# Altium PCB BLDC_v3.PcbDoc (part 1 of 2) (continued)
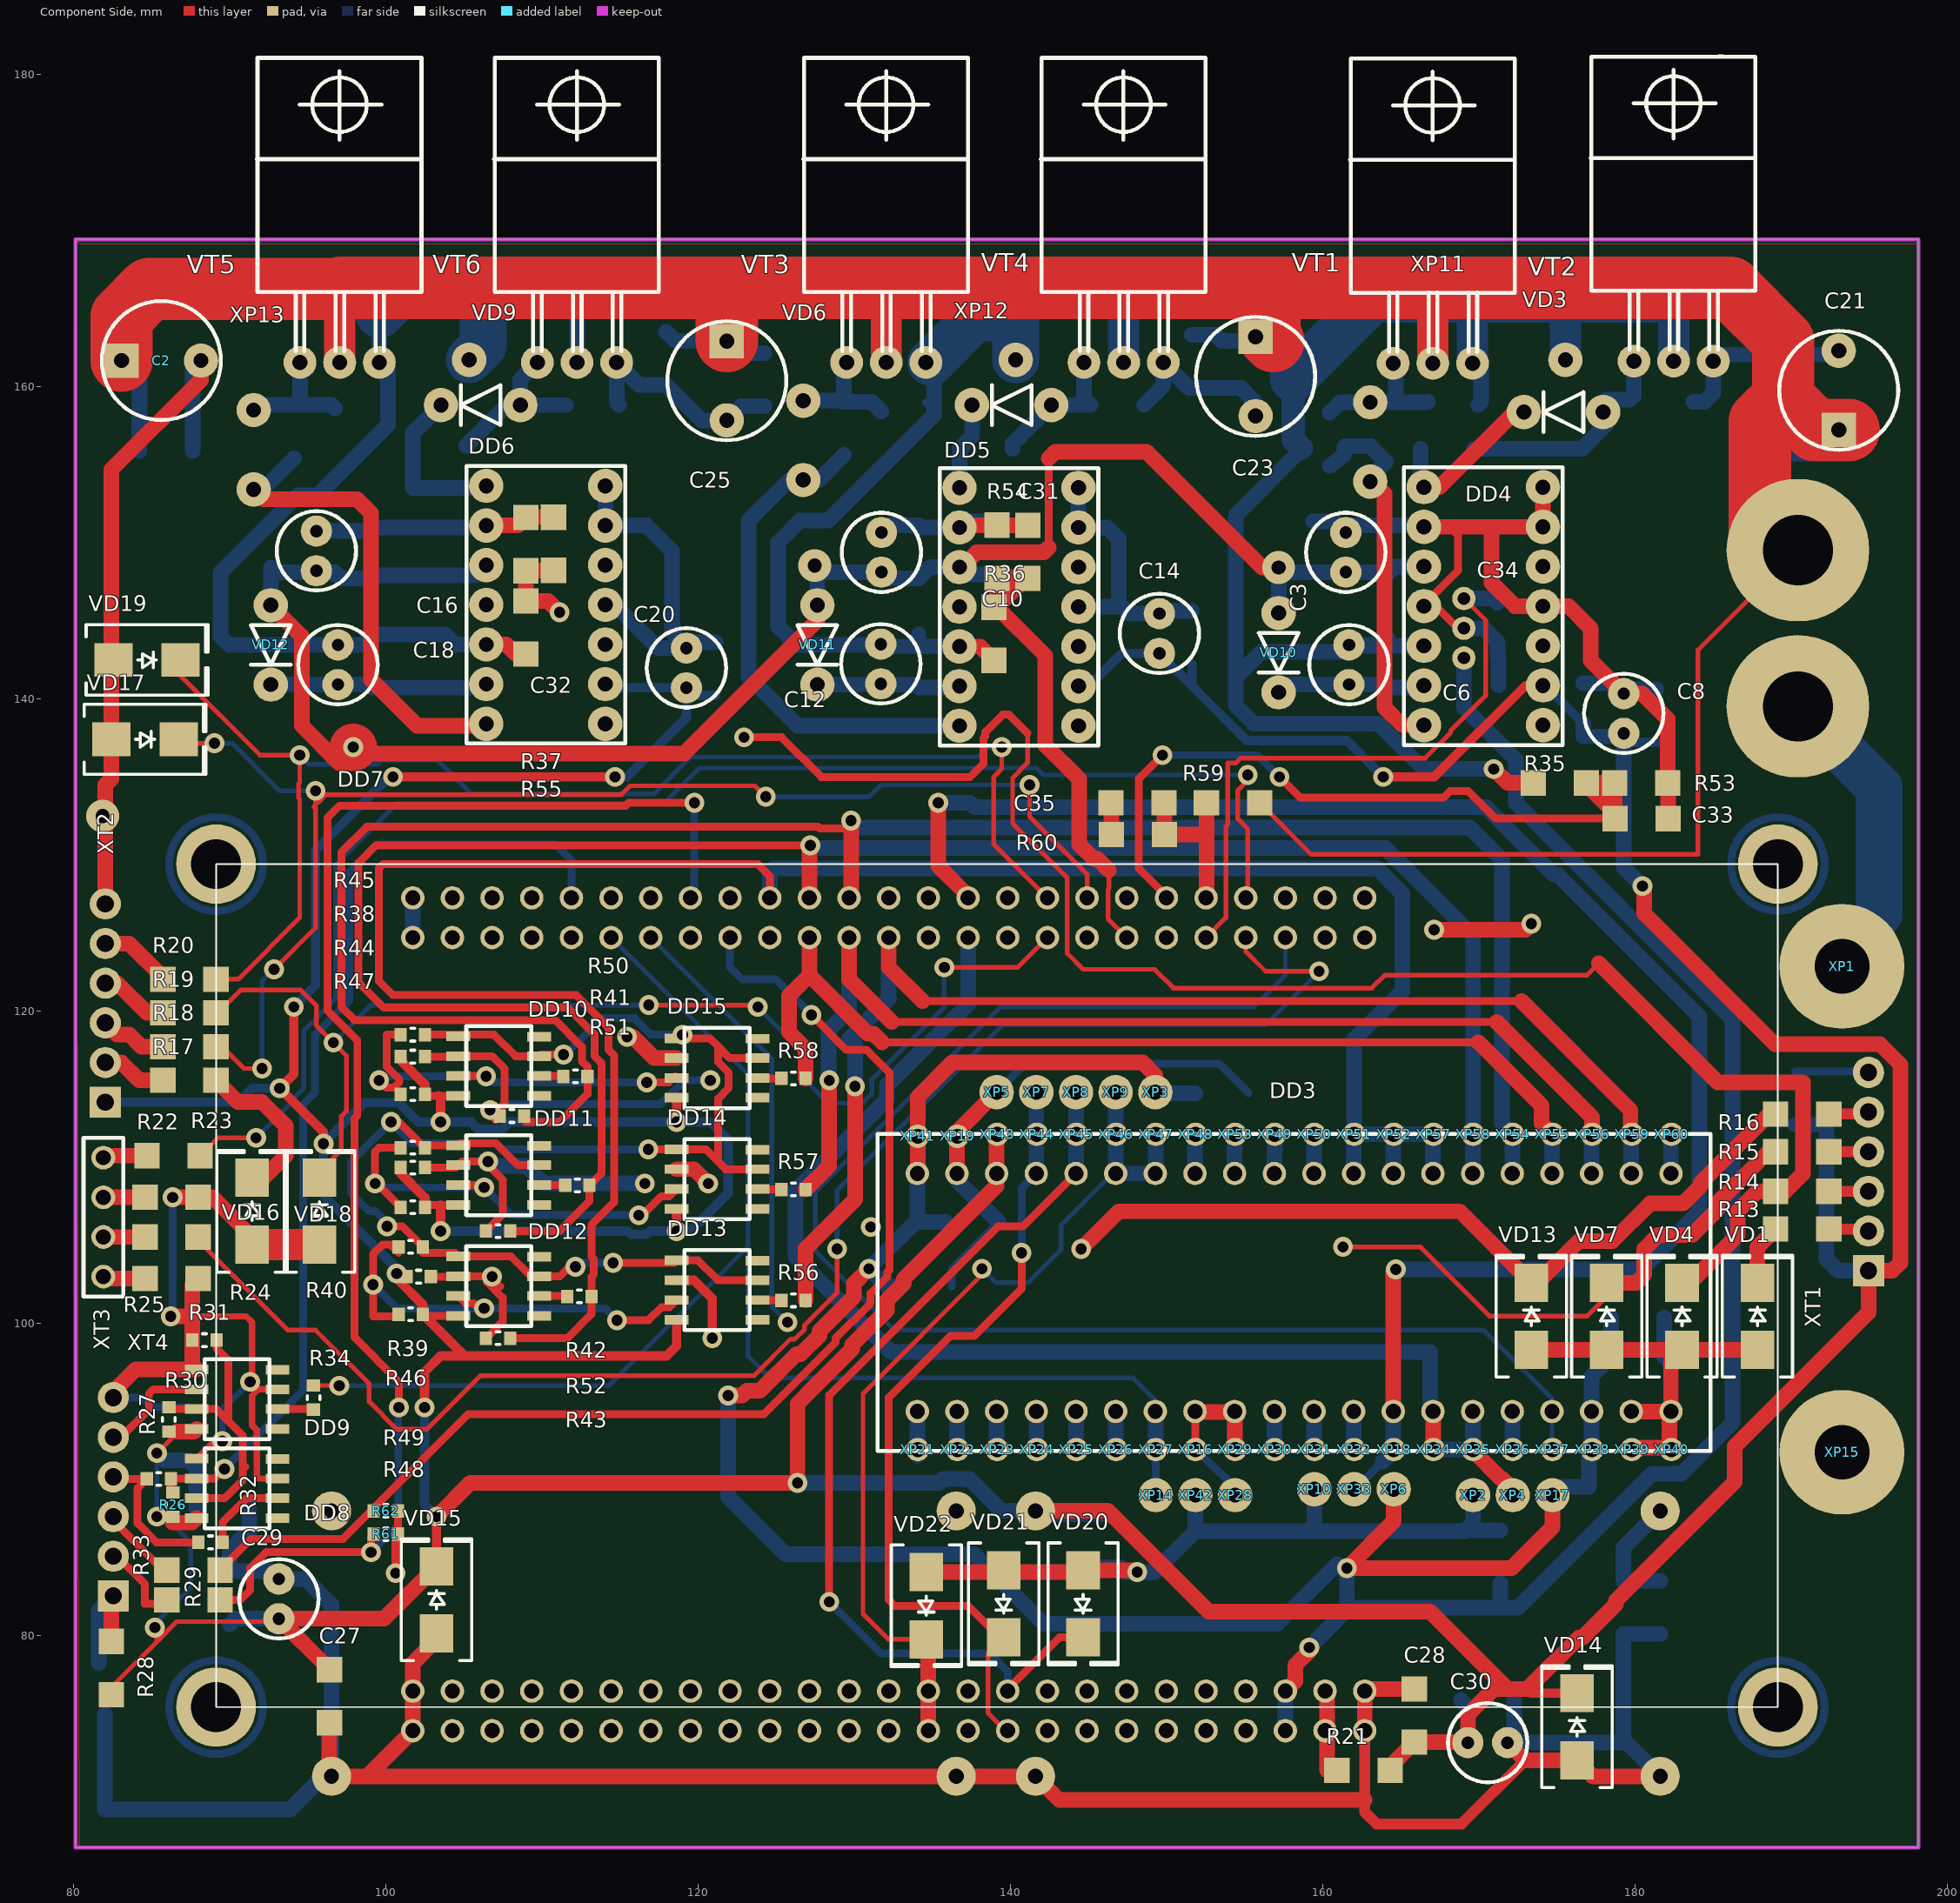
[diagram p0: Component Side view]
## Components (designator, comment, footprint, x,y, rotation, side; value= is the part's Value field where it differs from the comment) (continued)
XP52 "XP_1_WIDE" XP_WIDE#3 164.544,112.116 r0 top
XP53 "XP_1_WIDE" XP_WIDE#3 154.384,112.116 r0 top
XP54 "XP_1_WIDE" XP_WIDE#3 172.164,112.116 r0 top
XP55 "XP_1_WIDE" XP_WIDE#3 174.704,112.116 r0 top
XP56 "XP_1_WIDE" XP_WIDE#3 177.244,112.116 r0 top
XP57 "XP_1_WIDE" XP_WIDE#3 167.084,112.116 r0 top
XP58 "XP_1_WIDE" XP_WIDE#3 169.624,112.116 r0 top
XP59 "XP_1_WIDE" XP_WIDE#3 179.784,112.116 r0 top
XP60 "XP_1_WIDE" XP_WIDE#3 182.324,112.116 r0 top
XT1 "PLS6_GOST" XP_6_PIN 194.945,103.378 r90 top
XT2 "PLS6_GOST" XP_6_PIN 82.042,114.173 r90 top
XT3 "PLS4_GOST" XP_4_PIN_2 81.915,110.617 r0 top
XT4 "PLS6_GOST" XP_6_PIN 82.55,82.55 r90 top

## Footprints (in the part's own frame and the unit in brackets; to place one, negate y for a bottom-side part, rotate by r counter-clockwise, add the part's x,y. Pads: shape width x height; smd on the part's side, far side on the other; paste and mask are expansions set on the pad)
ACS_SENSOR [mil]
  round 59 hole 31.5: 1(-75,0) 2(0,0) 3(75,0)
  round 360 hole 177.17: 4(197,842) 5(-197,842)
  Multi-Layer lines w3.94: -275,802 cw(c-275,842) -315,842 cw(c-275,842) -275,882 ; -118,802 ccw(c-118,842) -118,882 ; 118,802 cw(c118,842) 118,882 ; 275,802 ccw(c275,842) 275,882
  Multi-Layer lines w4: -275,802 -237,802 -197,802 -118,802 ; 118,802 157,802 197,802 275,802 ; -275,882 -269.32,882 -237,882 -197,882 -157,882 -151.03,882 -118,882 ; 118,882 197,882 218.06,882 237,882 275,882
  body extent -276,-10 276,870, height 354
C10_V [mm]
  round 2 hole 0.8: 1(0,0) 2(2.54,0)
  silkscreen extent -1.27,-2.54 3.81,2.54, body extent -1.26,-2.51 3.74,2.49, height 12.9
C100_WIDE [mm]
  rect 2.2x2.2 hole 0.965: 1(0,0)
  round 2.2 hole 0.965: 2(5.08,0)
  silkscreen extent -1.27,-3.81 6.35,3.81, body extent -2.51,-5.01 7.49,4.96, height 12.5
CC1206 [mil]
  rect 64x64 smd: 1(0,0) 2(134,0)
  body extent 8,-31 134,32, height 39
DIODE_V_WIDE_HOLES [mm]
  round 2.2 hole 0.965: 1(5.08,0) 2(0,0)
  silkscreen extent 1.27,-1.27 3.81,1.27
DIP14_WIDE_HOLES [mm]
  round 2.2 hole 0.965: 1(0,0) 2(0,-2.54) 3(0,-5.08) 4(0,-7.62) 5(0,-10.16) 6(0,-12.7) 7(0,-15.24) 8(7.62,-15.24) 9(7.62,-12.7) 10(7.62,-10.16) 11(7.62,-7.62) 12(7.62,-5.08) 13(7.62,-2.54) 14(7.62,0)
  silkscreen extent -1.27,-16.51 8.89,1.27, body extent -0.12,-17.46 7.75,2.23, height 6.6
"DO214AA SMB" [mm] "Molded Diode, 2-Leads, Body 4.31x3.62mm, IPC Medium Density"
  rect 2.45x2.15 smd: 1(-2.15,0) 2(2.15,0)
  silkscreen extent -3.9,-2.25 3.9,2.25, body extent -2.6,-1.8 2.6,1.8, height 2.4
HCPL0600 [mil]
  rect 24x60 smd: 1(26,-184) 2(76,-184) 3(126,-184) 4(175,-184) 5(176,20) 6(126,20) 7(76,20) 8(26,20)
  silkscreen extent 0,-164 202,0, body extent 0,-164 202,0, height 143
IRLZ44N [mm]
  round 2.1 hole 0.965: 1(0.17,-0.17) 2(2.71,-0.17) 3(5.25,-0.17)
  silkscreen extent -2.6,0.55 7.95,19.35, body extent -2.56,-0.45 7.98,19.32, height 4.7
LM2596_WIDE [mm]
  round 2.5 hole 0.965: 1(0,0) 2(40,0) 3(40,17) 4(0,17)
  silkscreen extent -2,-2 42,19, body extent -1.43,-2.09 41.57,19.11, height 14.2
RC1206 [mil]
  rect 64x64 smd: 1(0,0) 2(134,0)
  body extent 1,-32 127,32, height 21
SMT0603/VISHAY [mm]
  rect 0.787x0.864 smd: 1(-0.775,0) 2(0.775,0)
  silkscreen extent -0.13,-0.41 0.13,0.41, body extent -0.78,-0.43 0.77,0.43, height 0.45
STM32F103_BOARD_WIDE [mm]
  round 1.5 hole 0.965: 1(0,0) 2(2.54,0) 3(5.08,0) 4(7.62,0) 5(10.16,0) 6(12.7,0) 7(15.24,0) 8(17.78,0) 9(20.32,0) 10(22.86,0) 11(25.4,0) 12(27.94,0) 13(30.48,0) 14(33.02,0) 15(35.56,0) 16(38.1,0) 17(40.64,0) 18(43.18,0) 19(45.72,0) 20(48.26,0) 21(48.26,15.24) 22(45.72,15.24) 23(43.18,15.24) 24(40.64,15.24) 25(38.1,15.24) 26(35.56,15.24) 27(33.02,15.24) 28(30.48,15.24) 29(27.94,15.24) 30(25.4,15.24) 31(22.86,15.24) 32(20.32,15.24) 33(17.78,15.24) 34(15.24,15.24) 35(12.7,15.24) 36(10.16,15.24) 37(7.62,15.24) 38(5.08,15.24) 39(2.54,15.24) 40(0,15.24)
  silkscreen extent -2.54,-2.54 50.8,17.78, body extent -2.86,-3.86 55.78,18.64, height 13.51
STM32F407-Disco [mm]
  round 1.5 hole 0.965: 1(0,0) 2(2.54,0) 3(0,-2.54) 4(2.54,-2.54) 5(0,-5.08) 6(2.54,-5.08) 7(0,-7.62) 8(2.54,-7.62) 9(0,-10.16) 10(2.54,-10.16) 11(0,-12.7) 12(2.54,-12.7) 13(0,-15.24) 14(2.54,-15.24) 15(0,-17.78) 16(2.54,-17.78) 17(0,-20.32) 18(2.54,-20.32) 19(0,-22.86) 20(2.54,-22.86) 21(0,-25.4) 22(2.54,-25.4) 23(0,-27.94) 24(2.54,-27.94) 25(0,-30.48) 26(2.54,-30.48) 27(0,-33.02) 28(2.54,-33.02) 29(0,-35.56) 30(2.54,-35.56) 31(0,-38.1) 32(2.54,-38.1) 33(0,-40.64) 34(2.54,-40.64) 35(0,-43.18) 36(2.54,-43.18) 37(0,-45.72) 38(2.54,-45.72) 39(0,-48.26) 40(2.54,-48.26) 41(0,-50.8) 42(2.54,-50.8) 43(0,-53.34) 44(2.54,-53.34) 45(0,-55.88) 46(2.54,-55.88) 47(0,-58.42) 48(2.54,-58.42) 49(0,-60.96) 50(2.54,-60.96) 51(50.8,0) 52(53.34,0) 53(50.8,-2.54) 54(53.34,-2.54) 55(50.8,-5.08) 56(53.34,-5.08) 57(50.8,-7.62) 58(53.34,-7.62) 59(50.8,-10.16) 60(53.34,-10.16) 61(50.8,-12.7) 62(53.34,-12.7) 63(50.8,-15.24) 64(53.34,-15.24) 65(50.8,-17.78) 66(53.34,-17.78) 67(50.8,-20.32) 68(53.34,-20.32) 69(50.8,-22.86) 70(53.34,-22.86) 71(50.8,-25.4) 72(53.34,-25.4) 73(50.8,-27.94) 74(53.34,-27.94) 75(50.8,-30.48) 76(53.34,-30.48) 77(50.8,-33.02) 78(53.34,-33.02) 79(50.8,-35.56) 80(53.34,-35.56) 81(50.8,-38.1) 82(53.34,-38.1) 83(50.8,-40.64) 84(53.34,-40.64) 85(50.8,-43.18) 86(53.34,-43.18) 87(50.8,-45.72) 88(53.34,-45.72) 89(50.8,-48.26) 90(53.34,-48.26) 91(50.8,-50.8) 92(53.34,-50.8) 93(50.8,-53.34) 94(53.34,-53.34) 95(50.8,-55.88) 96(53.34,-55.88) 97(50.8,-58.42) 98(53.34,-58.42) 99(50.8,-60.96) 100(53.34,-60.96)
  body extent -6.35,-66.05 59.65,35.06, height 31
XP_4_PIN_2 [mil]
  round 60 hole 38: 1(0,0) 2(0,-100) 3(0,-200) 4(0,-300)
  silkscreen extent -50,-350 50,50
XP_6_PIN [mm]
  rect 2x2 hole 1.1: 1(0,0)
  round 2 hole 1.1: 2(2.54,0) 3(5.08,0) 4(7.62,0) 5(10.16,0) 6(12.7,0)
XP_WIDE#1 [mm]
  round 8 hole 3.5: 1(0,0)
XP_WIDE#2 [mm]
  round 2.2 hole 0.965: 1(0,0)
XP_WIDE#3 [mm]
  round 1.5 hole 0.965: 1(0,0)

## Part data
R26 R27 R33 R34 R38 R39 R40 R41 R42 R43 R50 R51 R52 R56 R57 R58 R61 R62: library part CRCW060310K0FKEA/MURATA, "10k"
R30 R31 R44 R45 R46 R47 R48 R49: library part CRCW060310K0FKEA/MURATA
XT1 XT2 XT4: "Header, 6-Pin"
XT3: "Header, 5-Pin"

## Free pads (board coordinates)
  round 5.1 hole 3.2: 0(89.137,75.421) 0(89.137,129.421) 0(189.137,75.421) 0(189.137,129.421)

## Via types
v1: diameter 1.27, hole 0.711, Component Side to Solder Side, 92 vias
v2: diameter 2.1, hole 0.9, Component Side to Solder Side, 3 vias
v3: diameter 1.27/1.27/1.27/1.27 (per signal layer), hole 0.711, Component Side to Solder Side, 3 vias

## Nets (pads, with @x,y where several pads share a name; then routed paths per layer and width w, separated by ;. In a path a pad name is that pad's centre, name@x,y a point inside that pad or via, vN(x,y) a via of type N, cw(c..) or ccw(c..) an arc to the next point about the centre after c; other vN are vias at no path point)
+3.3V: ACS758.1 C39.2 C40.2 C52.2 C53.2 C54.2 C55.2 C56.2 DD3.18 DD3.40 DD7.55 DD7.56 R61.2 R62.2 XP3.1 XP6.1 XP17.1 XP38.1 XP41.1 | length 301.1
  Component Side w0.5: v1(100.625,84) 100.625,86.35 R61.2@100.775,86.5 R62.2@100.775,88
  Component Side w1: v1(121.92,95.377) 122.809,95.377 123.129,95.697 123.965,95.697 126.309,98.041 126.573,98.041 127.765,99.233 127.765,99.497 129.982,101.714 129.982,102.55 v1(130.937,103.505) ; DD3.40@134.037,109.604 134.064,109.631 XP41.1@134.064,111.989 134.064,114.506 136.271,116.713 148.463,116.713 149.277,115.899 XP3.1@149.277,114.811 XP3.1@149.338,114.75 ; DD7.55@157.607,76.454 158.247,77.094 158.247,78.125 159.131,79.009 v1(159.131,79.248) ; XP6.1@164.544,89.383 164.544,87.328 v1(161.544,84.328) 172.085,84.328 174.704,86.947 XP17.1@174.704,89.002
  Signal Layer 2 w1: v1(100.625,84) 109.375,84 114.127,79.248 v1(159.131,79.248)
  Solder Side w1: v1(121.92,95.377) 121.92,88.9 125.603,85.217 137.668,85.217 142.113,80.772 157.099,80.772 160.909,84.582 161.163,84.328 v1(161.544,84.328) 161.544,81.915 161.671,81.788 ; C53.2@132.846,102.375 132.067,102.375 v1(130.937,103.505) 134.037,106.605 ; DD3.40@134.037,109.604 134.037,106.605 ; C55.2@135.846,106.5 134.142,106.5 134.037,106.605 ; XP3.1@149.277,114.811 149.338,114.75 C54.2@151.846,114.75 ; DD7.56@157.607,73.914 DD7.55@157.607,76.454 ; v1(159.131,79.248) 161.671,81.788 ; ACS758.1@169.037,142.621 169.037,139.443 172.377,136.103 172.377,133.312 186.25,119.439 186.25,93.657 182.966,90.373 181.091,90.373 172.506,81.788 171.375,81.788 ; C39.2@171.375,83.346 171.375,81.788 ; XP17.1@174.704,89.51 174.729,89.535 177.038,89.535 177.038,91.771 177.217,91.95 DD3.18@177.217,94.364 177.217,96.621 C56.2@178.471,97.875 C52.2@178.471,100.375 ; 161.671,81.788 171.375,81.788
+5V: C7.2 C8.1 C13.2 C14.1 C19.2 C20.1 C27.2 C28.2 C29.1 C30.1 C38.2 C41.2 C42.2 C45.2 C48.2 C51.2 C57.2 C58.2 C60.2 C61.2 C62.2 DD2.3 DD3.38 DD4.9 DD5.9 DD6.9 DD8.8 DD9.8 DD10.8 DD11.8 DD12.8 DD13.8 DD14.8 DD15.8 R21.2 R26.1 R28.2 R30.1 R38.1 R39.1 R40.1 R44.1 R46.1 R48.1 VD14.2 VD15.2 XP43.1 XT1.1 XT2.1 | length 513.7
  Component Side w0.3: R28.2@82.423,76.225 82.423,76.708 85.344,79.629 ; v1(85.217,80.518) 85.344,80.518 85.344,79.629 ; v1(85.344,91.694) 86.614,92.964 86.614,93.078 ; C29.1@93.154,81.09 92.964,80.899 86.614,80.899 85.344,79.629
  Component Side w0.5: R48.1@102.477,100.482 DD12.8@104.648,100.482 ; R46.1@102.502,107.442 102.654,107.594 103.505,107.594 DD11.8@104.648,107.594 ; R44.1@102.502,114.681 102.604,114.579 103.378,114.579 DD10.8@104.648,114.579
  Component Side w0.6: v1(94.107,120.269) 94.107,115.96 v1(93.213,115.067) 96.012,112.268 v1(96.012,111.506) ; v1(100.457,135.001) v1(114.681,135.001) ; v1(100.696,103.2) 100.696,103.126 100.825,102.997 100.825,102.756 102.375,101.206 R48.1@102.375,100.584 102.477,100.482 105.042,97.917 ; R39.1@100.952,109.982 100.952,109.614 102.502,108.064 R46.1@102.502,107.442 ; R38.1@100.952,117.094 100.952,116.853 102.502,115.303 R44.1@102.502,114.681 ; v1(102.489,94.615) 102.489,96.901 103.505,97.917 105.042,97.917 ; VD15.2@103.251,84.446 v1(103.251,87.63) ; 103.378,114.579 103.505,114.452 v1(103.505,112.903) ; v1(103.505,105.918) 103.505,107.594 ; DD13.8@118.618,100.228 118.618,98.552 117.983,97.917 105.042,97.917 ; v1(118.618,105.918) DD14.8@118.618,107.34 ; v1(118.618,112.903) DD15.8@118.618,114.452 ; v1(163.875,135) 167.131,135 172.992,140.861 DD4.9@174.096,140.861 ; 173.097,76.581 173.36,76.318 VD14.2@176.276,76.318
  Component Side w1: R26.1@86.36,87.236 87.592,87.236 DD8.8@87.884,87.528 ; 86.614,93.078 87.719,93.078 DD9.8@87.884,93.243 ; C27.2@96.393,77.826 96.393,77.851 C29.1@93.154,81.09 99.894,81.09 VD15.2@103.251,84.446 ; v1(103.251,87.63) 105.41,89.789 v1(126.365,89.789) 126.365,94.863 127.443,95.941 129.865,98.363 129.865,98.628 132.082,100.845 132.082,101.489 133.172,102.579 133.172,102.858 139.117,108.803 DD3.38@139.117,109.604 139.117,112.089 XP43.1@139.144,112.116 ; DD2.3@141.61,87.993 146.235,87.993 152.694,81.534 166.878,81.534 171.831,76.581 ; R21.2@164.059,71.374 C28.2@165.862,73.177 169.266,73.177 C30.1@169.291,73.152 169.291,74.93 170.942,76.581 171.831,76.581 ; v1(180.467,128.016) 180.594,127.889 180.594,126.238 188.954,117.878 195.691,117.878 196.977,116.592 196.977,103.886 196.469,103.378 XT1.1@194.945,103.378 194.945,100.695 186.375,92.125 186.375,89.859 178.766,82.25 178.766,82.016 176.625,79.875 176.391,79.875 173.097,76.581 171.831,76.581
  Solder Side w0.3: v1(85.217,80.518) 85.217,80.772 87.503,83.058 87.503,85.979 85.725,87.757 85.598,87.63 v1(85.344,87.63) v1(85.344,91.694)
  Solder Side w0.6: XT2.1@82.042,114.173 90.551,114.173 91.445,115.067 v1(93.213,115.067) ; v1(94.107,120.269) 95.504,121.666 95.504,130.302 v1@100.203,135.001 ; v1(100.696,103.2) 100.696,103.52 96.012,108.204 v1(96.012,111.506) 98.644,114.138 100.842,114.138 102.077,112.903 v1(103.505,112.903) 105.445,112.903 105.918,112.43 107.442,112.43 107.915,112.903 v1(118.618,112.903) 120.777,112.903 121.92,111.76 121.92,108.331 119.507,105.918 v1(118.618,105.918) 116.936,105.918 116.717,105.699 115.693,105.699 115.474,105.918 v1(103.505,105.918) ; v1(102.489,94.615) 102.489,88.392 v1(103.251,87.63) ; DD6.9@114.183,140.821 114.283,140.721 C20.1@119.363,140.721 ; v1(114.681,135.001) 115.443,135.001 119.253,138.811 C20.1@119.253,140.716 ; C20.1@119.748,140.221 C51.2@121.125,140.221 ; DD5.9@144.357,140.821 145.041,140.821 C13.2@146.937,142.717 147.141,142.921 C14.1@149.537,142.921 149.537,142.912 151.625,140.824 ; C48.2@151.625,142.221 151.625,140.824 ; v1(163.875,135) 161.545,137.33 155.119,137.33 151.625,140.824 ; DD4.9@174.096,140.861 174.243,140.861 176.676,138.428 ; C8.1@179.072,137.596 179.276,137.393 179.447,137.221 C45.2@181.375,137.221
  Solder Side w1: v1(85.344,91.694) 85.817,91.221 C61.2@87.375,91.221 87.846,90.75 C60.2@87.846,88.125 ; C41.2@90,80.721 90.368,81.09 C29.1@93.154,81.09 ; v1(126.365,89.789) 135.422,89.789 135.676,90.043 137.374,90.043 139.424,87.993 DD2.3@141.61,87.993 141.824,87.779 C38.2@143.875,87.779 C62.2@146,87.779 ; C42.2@168.846,75.875 169.291,75.43 C30.1@169.291,73.152 ; 176.676,138.428 C7.2@176.676,137.596 C8.1@179.072,137.596 ; C8.1@179.276,137.393 179.276,129.207 v1(180.467,128.016) ; C57.2@190.25,112.721 C58.2@192.25,112.721 192.25,104.125 192.997,103.378 XT1.1@194.945,103.378
+12V: C3.1 C4.2 C9.2 C10.1 C15.2 C16.1 C37.2 C43.2 C46.2 C49.2 C59.2 DD1.3 DD2.4 DD4.3 DD5.3 DD6.3 VD10.1 VD11.1 VD12.1 | length 298.6
  Component Side w0.5: 142.457,149.696 142.457,155.411
  Component Side w1: VD12.1@92.637,146.001 94.615,144.023 94.615,138.303 97.028,135.89 97.917,135.89 98.535,136.508 119.109,136.508 127.637,145.036 VD11.1@127.637,146.001 ; DD5.3@136.737,148.441 136.884,148.441 137.838,149.395 142.156,149.395 142.457,149.696 ; 142.457,155.411 142.875,155.829 148.717,155.829 156.125,148.421 v2(157.176,148.421)
  Component Side w3: v3(97.917,136.906) v3@97.939,136.884
  Signal Layer 1 w1: v2(157.176,148.421) v2@157.649,148.421 ; C3.1@161.476,148.121 166.116,148.121 DD4.3@166.476,148.481
  Signal Layer 1 w3: v3(97.917,136.906) 97.939,136.884 97.939,132.293 96.266,130.62 96.266,121.808 99.844,118.23 105.388,118.23 105.417,118.259 107.435,118.259 107.464,118.23 108.592,118.23 108.592,117.101 108.861,116.833 108.861,114.928 ; 109.115,114.674 109.115,106.554 109.607,106.062 109.607,101.837 109.115,101.345 109.115,97.543 102.88,91.308 96.525,91.308 DD1.3@96.525,87.993 96.525,83.815 100.838,79.502 153.02,79.502 155.201,81.683 175.3,81.683 DD2.4@181.61,87.993
  Solder Side w1: VD12.1@92.637,146.001 92.637,148.421 92.937,148.121 96.737,148.121 ; 96.617,148.001 96.737,148.121 ; DD6.3@105.791,147.921 99.341,147.921 C15.2@99.137,147.717 97.141,147.717 96.737,148.121 ; DD6.3@105.916,148.048 DD6.3@106.436,148.568 ; VD11.1@127.637,146.001 127.637,148.421 127.957,148.101 131.717,148.101 C10.1@131.737,148.121 132.141,147.717 C9.2@134.137,147.717 134.861,148.441 DD5.3@136.737,148.441 137.207,147.971 C46.2@139,147.971 ; VD10.1@157.176,145.501 v2(157.176,148.421) 157.476,148.121 C3.1@161.476,148.121 163.472,148.121 C4.2@163.876,147.717 164.64,148.481 DD4.3@166.476,148.481 ; DD2.4@181.61,87.993 179.25,85.633 C37.2@179.25,83.529 C59.2@181.625,83.529
  other v2: 127.462,148.546
+36V: ACS758.5 XP1.1 | length 19.8
  Solder Side w3: ACS758.5@190.424,139.522 191.44,138.506 195.625,134.321 195.625,126.25 193.25,123.875 XP1.1@193.25,122.875
+36V_I: ACS758.4 C1.2 C2.1 C21.1 C22.2 C23.1 C24.2 C25.1 C26.2 C36.2 C44.2 C47.2 C50.2 DD1.4 R59.1 VT1.2 VT3.2 VT5.2 | length 309.5
  Component Side w0.3: R59.1@155.956,133.35 159.258,130.048 184.023,130.048 184.023,143.129 ACS758.4@189.408,148.514
  Component Side w2: VT5.2@97.047,161.551 97.047,166.262 97.106,166.321 ; VT3.2@132.047,161.551 132.047,166.288 132.08,166.321 ; VT1.2@167.047,161.501 167.047,166.236 167.132,166.321
  Component Side w4: C2.1@83.087,161.671 83.087,164.494 84.855,166.262 97.047,166.262 ; 97.106,166.321 122.047,166.321 ; C25.1@121.837,162.921 121.837,166.111 122.047,166.321 ; 132.047,166.288 132.014,166.321 122.047,166.321 ; 132.08,166.321 156.591,166.321 ; 156.837,162.921 156.591,163.167 156.591,166.321 ; 167.047,166.236 166.962,166.321 156.591,166.321 ; 167.132,166.321 186.104,166.321 189.484,162.941 189.484,159.258 ; ACS758.4@188,150.125 188,157.774 189.484,159.258 ; C21.1@193.675,157.226 C21.1@193.04,157.226 191.516,157.226 189.484,159.258
  Signal Layer 1 w4: DD1.4@136.525,87.993 132.733,87.993 128.524,92.202 128.524,93.659 133.036,98.171 181.483,98.171 189.992,106.68 ; ACS758.4@190.424,149.53 190.905,149.53 191.44,150.065 195,153.625
  Solder Side w1: C2.1@83.087,161.671 84.233,160.525 C1.2@84.233,157.921 84.221,157.909 C36.2@84.221,155.875 ; C26.2@117.937,163.525 118.541,162.921 C25.1@121.837,162.921 122.604,162.154 C50.2@124.25,162.154 ; C47.2@151.625,163.325 153.137,163.325 153.541,162.921 156.837,162.921
  Solder Side w4: C22.2@188.849,158.648 190.271,157.226 C21.1@193.04,157.226 C21.1@193.675,157.226
+HALL_1: DD3.37 DD7.70 VD21.2 XP7.1 XP44.1 | length 52.7
  Component Side w0.3: VD21.2@139.573,79.892 138.557,78.876 138.557,75.057 139.7,73.914 DD7.70@139.827,73.914
  Component Side w0.5: VD21.2@139.573,79.892 139.31,79.892 137.287,81.915 132.588,81.915 132.207,82.296 132.207,95.25 136.144,99.187 137.668,99.187 140.716,102.235 v1(140.716,104.521)
  Solder Side w0.5: v1(140.716,104.521) 140.716,108.663 DD3.37@141.657,109.604
  Solder Side w1: DD3.37@141.657,109.604 XP7.1@141.657,114.811
+HALL_2: DD3.36 DD7.69 VD20.2 XP8.1 XP45.1 | length 61
  Component Side w0.5: v1(128.397,82.169) 128.397,95.41 139.201,106.214 140.807,106.214 DD3.36@144.197,109.604 ; DD7.69@139.827,76.454 139.827,76.581 143.138,79.892 VD20.2@144.653,79.892
  Solder Side w0.5: v1(128.397,82.169) 131.691,78.875 138.676,78.875 139.827,77.724 DD7.69@139.827,76.454
  Solder Side w1: DD3.36@144.197,109.604 XP8.1@144.197,114.811
+HALL_3: DD3.34 DD3.35 DD7.73 DD7.74 VD22.2 XP9.1 XP46.1 XP47.1 | length 59
  Component Side w0.3: VD22.2@134.62,79.765 132.198,79.765 130.556,81.407 130.556,95.504 138.176,103.124 v1(138.176,103.505)
  Component Side w1: VD22.2@134.62,79.765 134.747,79.638 DD7.73@134.747,76.454 DD7.74@134.747,73.914
  Solder Side w0.3: v1(138.176,103.505) 139.065,102.616 141.137,102.616 143.256,104.735 143.256,106.309 146.551,109.604 DD3.35@146.792,109.604
  Solder Side w1: XP9.1@146.737,114.811 DD3.35@146.737,109.604 146.792,109.604 DD3.34@149.277,109.604 149.304,109.631 XP47.1@149.304,112.116
ANALOG_IO_0: DD7.7 R22.2 | length 93.3
  Component Side w0.3: R22.2@88.113,110.744 89.256,111.887 v1(91.694,111.887) ; DD7.7@155.067,127.254 155.194,127.381 155.194,131.678 154.559,132.313 154.559,134.15 155.194,134.785 v1(155.194,135.128)
  Solder Side w0.3: v1(91.694,111.887) 94,114.193 94,114.319 94.762,115.081 94.762,118.764 96.774,120.776 96.774,129.368 100.722,133.316 117.822,133.316 120.084,135.578 141.673,135.578 142.123,135.128 v1(155.194,135.128)
ANALOG_IO_1: DD7.8 R24.2 | length 99.9
  Component Side w0.3: R24.2@87.986,105.537 87.986,105.308 93.726,99.568 95.504,99.568 98.933,96.139 98.933,94.986 100.701,93.218 102.626,93.218 106.055,96.647 123.571,96.647 125.915,98.991 126.179,98.991 126.815,99.627 126.815,99.891 128.905,101.981 v1(128.905,104.775) ; DD7.8@155.067,124.714 155.067,123.825 156.337,122.555 v1(159.766,122.555)
  Solder Side w0.3: v1(128.905,104.775) 128.905,108.527 139.503,119.125 156.336,119.125 v1(159.766,122.555)
DIR: DD3.13 DD7.21 XP18.1 XP33.1 | length 109
  Component Side w1: v1(135.382,133.35) 135.382,129.306 137.287,127.401 DD7.21@137.287,127.254 ; DD3.13@164.517,94.364 164.517,103.303 v1(164.681,103.467)
  Solder Side w0.5: XP33.1@162.77,90.073 163.854,91.157
  Solder Side w1: v1(135.382,133.35) 137.414,133.35 137.706,133.058 170.472,133.058 174.79,128.74 175.044,128.74 184.125,119.659 184.125,107.163 180.429,103.467 v1(164.681,103.467) ; 163.854,91.157 163.854,91.161 164.517,91.824 DD3.13@164.517,94.364